# Altium PCB ESP-01F.PcbDoc
Units mm, origin at the board's own origin, x right, y up, seen from the top; angles counter-clockwise.
Board outline 22.86 x 29.21 mm, 2 copper layers (Top Layer, Bottom Layer); 28 components, 32 nets, 126 pads, 49 vias.
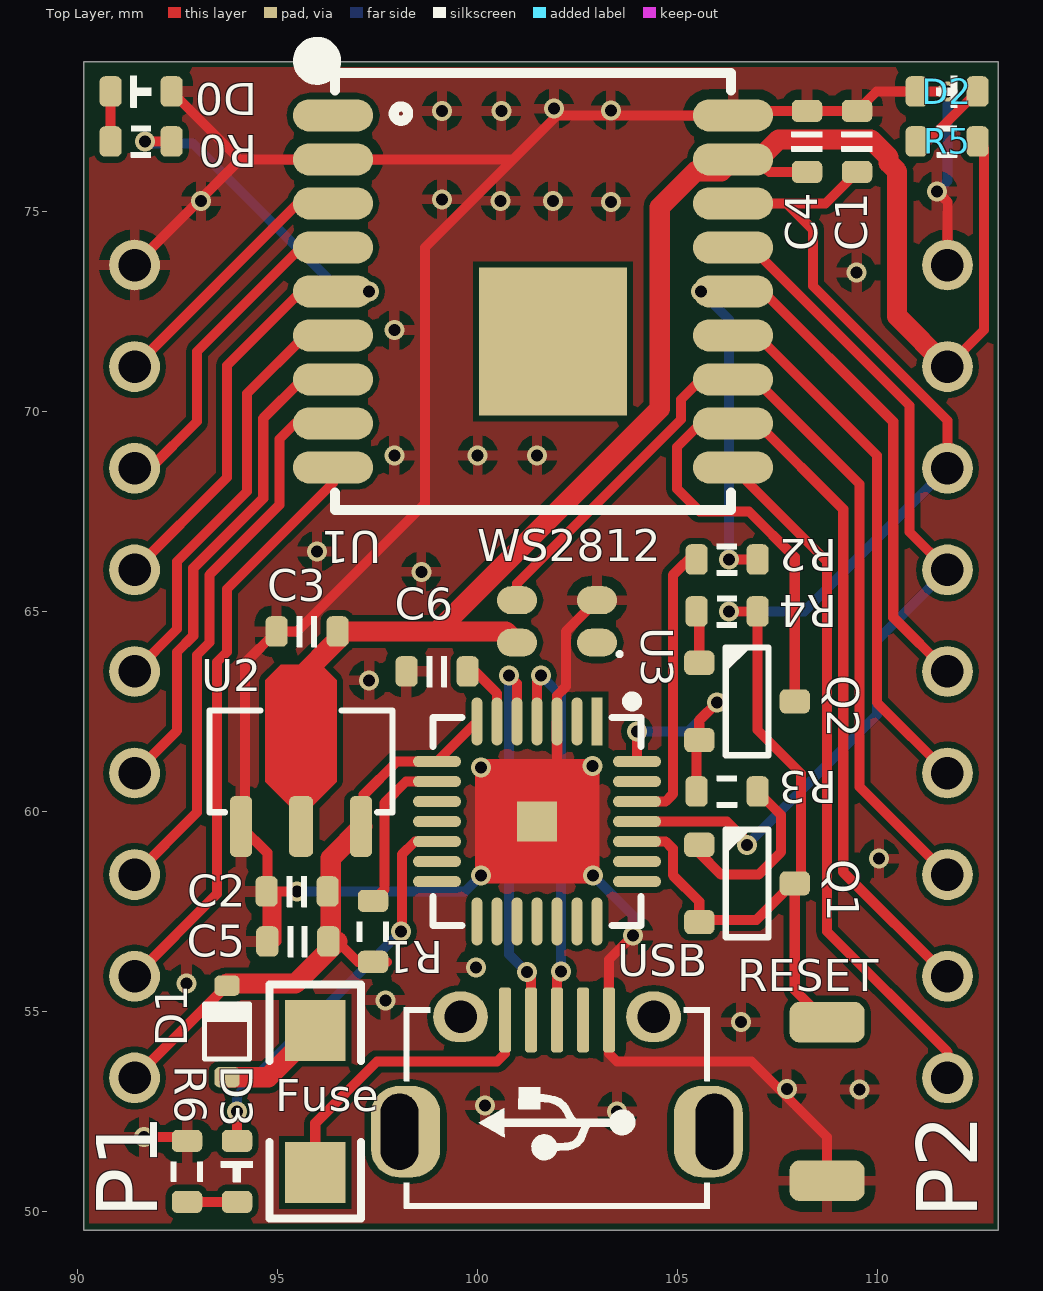
[diagram p0: Top Layer view]
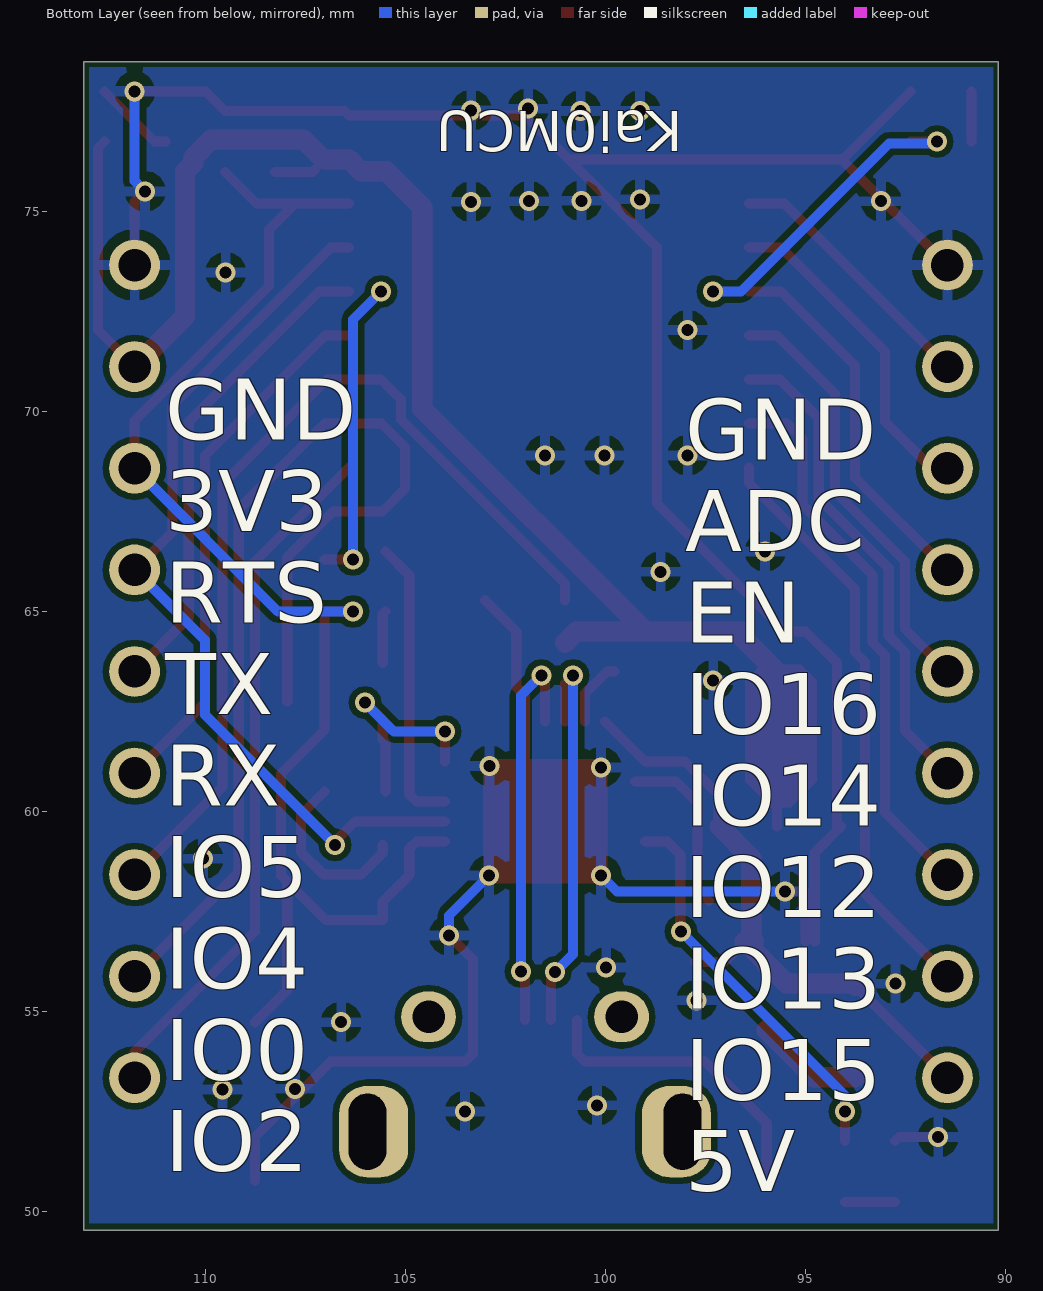
[diagram p1: Bottom Layer view, seen from below]
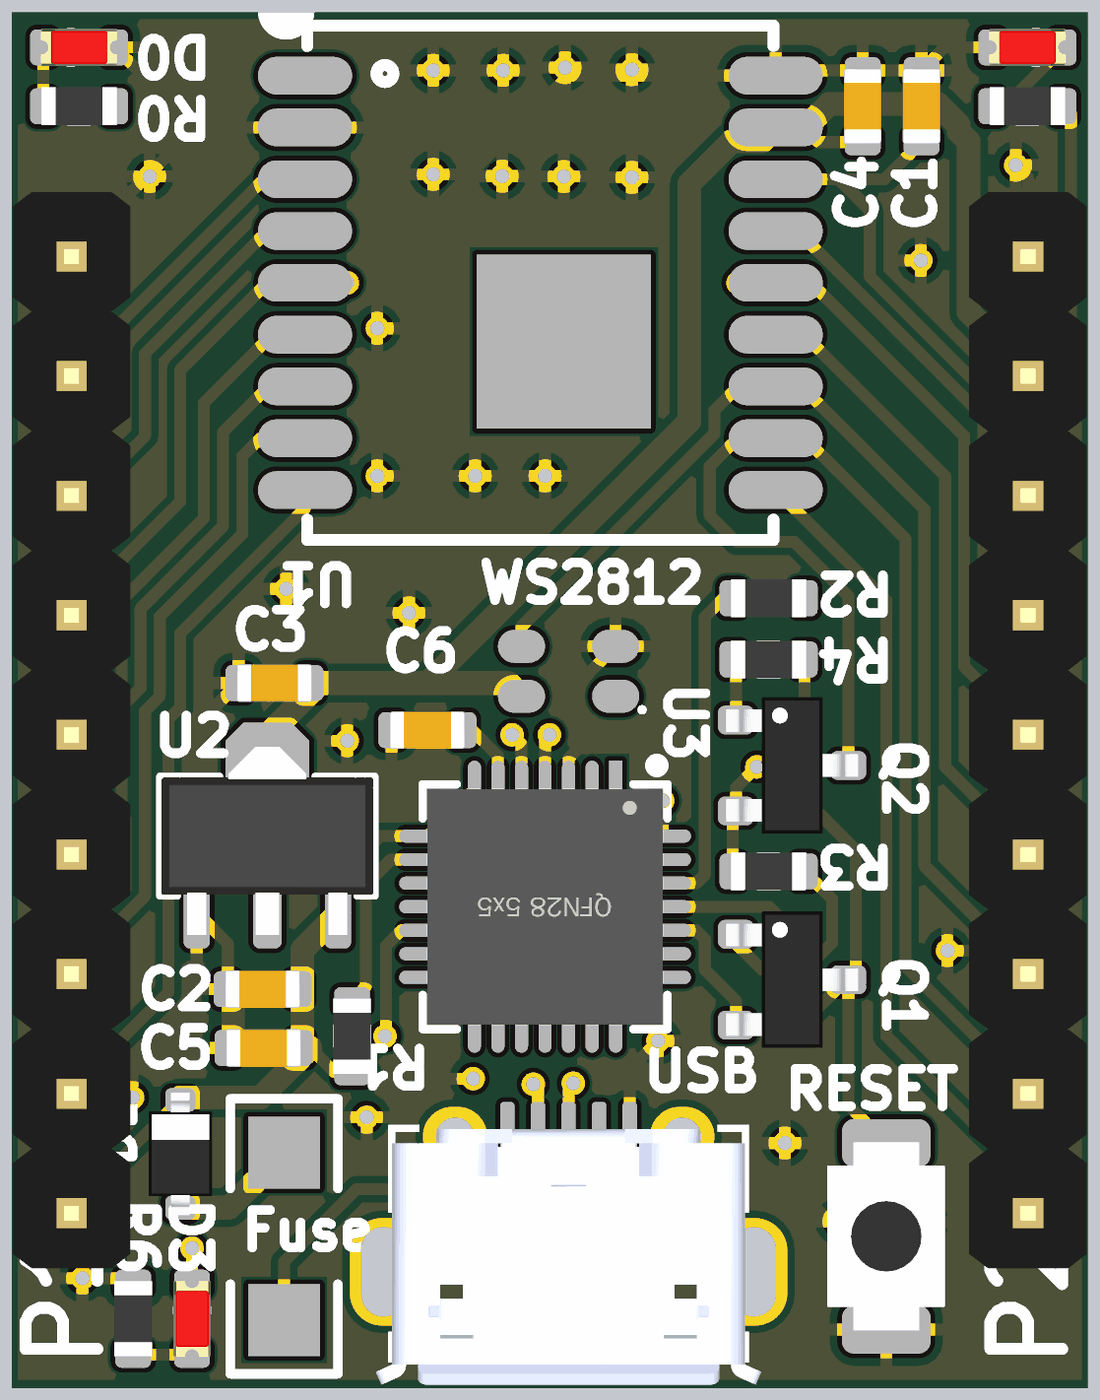
[diagram p2: 3D render of the assembled board from above, using the file's embedded part models]

## Layer stack, top to bottom
Top Solder: solder mask 0.0102, Solder Resist, Dk 3.5
Top Layer: signal copper 0.0356
Dielectric 1: dielectric 0.32, FR-4, Dk 4.8
Bottom Layer: signal copper 0.0356
Bottom Solder: solder mask 0.0102, Solder Resist, Dk 3.5

## Board outline
90.17,77.47 90.17,78.74 113.03,78.74 113.03,49.53 90.17,49.53

## Design rules (kind name [scope] priority, off if disabled: settings)
Clearance [All] p1: gap=0.152 ignorepadtopadclearanceinfootprint=FALSE
PolygonConnect [All] p1: connectstyle=Relief reliefconductorwidth=0.254 reliefentries=4 polygonreliefangle="90 Angle" airgapwidth=0.254
RoutingVias [All] p1: holewidth=0.711 width=1.27 viastyle="Through Hole" minholewidth=0.711 minwidth=1.27 maxholewidth=0.711 maxwidth=1.27
SolderMaskExpansion [All] p1: expansion=0.102
Width [All] p1: maxlimit=2.54 minlimit=0.254 preferedwidth=0.254 minimp=50.000000 maximp=50.000000 favimp=50.000000
30 further rules are at their usual default settings.

## Components (designator, comment, footprint, x,y, rotation, side; value= is the part's Value field where it differs from the comment)
C1 "C0603" CAP_0603 109.5,76.75 r270 top value=100nF
C2 "C0603" CAP_0603 95.5,58 r0 top value=22uF
C3 "C0603" CAP_0603 95.75,64.5 r0 top value=2.2uF
C4 "C0603" CAP_0603 108.25,76.75 r270 top value=100nF
C5 "C0603" CAP_0603 95.52,56.75 r0 top value=22uF
C6 "C0603" CAP_0603 99,63.5 r0 top value=1uF
D0 "color?" LED_0603_RED 91.6,78 r0 top
D1 "SS14" SOD-323 93.75,54.5 r90 top
D2 "color?" LED_0603_RED 111.75,78 r180 top
D3 "color?" LED_0603_RED 94,51 r270 top
Fuse "Fuse" 1206 95.955,52.75 r270 top value=1A
P1 "HDR1x9.54" HDR1X9_2.54_180 91.44,73.66 r0 top
P2 "HDR1x9.54" HDR1X9_2.54_180 111.76,73.66 r0 top
Q1 "S0805" SOT23-3 106.75,58.2 r0 top
Q2 "S0805" SOT23-3 106.75,62.75 r0 top
R0 "R0603" RES_0603 91.6,76.75 r180 top value=4.7K
R1 "R0603" RES_0603 97.4,57 r90 top value=10K
R2 "R0603" RES_0603 106.25,66.3 r0 top value=220
R3 "R0603" RES_0603 106.25,60.5 r0 top value=10K
R4 "R0603" RES_0603 106.25,65 r180 top value=10K
R5 "R0603" RES_0603 111.75,76.75 r0 top value=10K
R6 "R0603" RES_0603 92.75,51 r270 top value=10K
RESET "TACT 2P" ButtonTACT_3x4x2_180 108.75,52.75 r270 top value=3x4
U1 "ESP-01F" ESP-01F 101.5,72 r0 top
U2 "LDO1117" SOT89-3 95.6,61.25 r90 top
U3 "CP2102" QFN28,5X5 101.5,59.75 r180 top
USB "MicroUSB" USB_Micro-AB 102,52.25 r180 top
WS2812 "LED_0807_WS2812B" WS28112_0807 102,64.75 r180 top

## Footprints (in the part's own frame and the unit in brackets; to place one, negate y for a bottom-side part, rotate by r counter-clockwise, add the part's x,y. Pads: shape width x height; smd on the part's side, far side on the other; paste and mask are expansions set on the pad)
1206 [mil] "贴片元件"
  rect 60x60 smd: 1(-70,0) 2(70,0)
  silkscreen extent -115,-45 115,45, body extent -75,-35 75,35, height 39
ButtonTACT_3x4x2_180 [mil]
  rrect50% 40x74 smd: 1(-78,0) 2(78,0)
  body extent -79,-49 79,49, height 63
CAP_0603 [mil]
  rrect50% 22x30 smd: 1(-30,0) 2(30,0)
  silkscreen extent -10,-15 10,15, body extent -31,-16 31,16, height 31
ESP-01F [mm] "20210803,HangZhou"
  oval 2x0.8 smd: 1(-5.1,5.4) 2(-5.1,4.3) 3(-5.1,3.2) 4(-5.1,2.1) 5(-5.1,1) 6(-5.1,-0.1) 7(-5.1,-1.2) 8(-5.1,-2.3) 9(-5.1,-3.4) 10(4.9,-3.4) 11(4.9,-2.3) 12(4.9,-1.2) 13(4.9,-0.1) 14(4.9,1) 15(4.9,2.1) 16(4.9,3.2) 17(4.9,4.3) 18(4.9,5.4)
  rect 3.7x3.7 smd: 19(0.4,-0.25)
  silkscreen extent -5.8,-4.46 4.85,7.07
HDR1X9_2.54_180 [mil]
  round 50 hole 32: 1(0,0) 2(0,-100) 3(0,-200) 4(0,-300) 5(0,-400) 6(0,-500) 7(0,-600) 8(0,-700) 9(0,-800)
  body extent -49,-850 49,50, height 323
LED_0603_RED [mil]
  rrect50% 22x30 smd: 1(-30,0) 2(30,0)
  silkscreen extent -10,-16 10,16, body extent -32,-16 32,16, height 24
QFN28,5X5 [mm] "20210808,HangZhou"
  rect 0.28x1.2 smd: 1(-1.5,-2.5)
  oval 0.28x1.2 smd: 2(-1,-2.5) 3(-0.5,-2.5) 4(0,-2.5) 5(0.5,-2.5) 6(1,-2.5) 7(1.5,-2.5) 15(1.5,2.5) 16(1,2.5) 17(0.5,2.5) 18(0,2.5) 19(-0.5,2.5) 20(-1,2.5) 21(-1.5,2.5)
  oval 1.2x0.28 smd: 8(2.5,-1.5) 9(2.5,-1) 10(2.5,-0.5) 11(2.5,0) 12(2.5,0.5) 13(2.5,1) 14(2.5,1.5) 22(-2.5,1.5) 23(-2.5,1) 24(-2.5,0.5) 25(-2.5,0) 26(-2.5,-0.5) 27(-2.5,-1) 28(-2.5,-1.5)
  rect 1x1 smd: 29(0,0)
  Top Layer region: -1.55,1.55 1.55,1.55 1.55,-1.55 -1.225,-1.55 -1.55,-1.225
  silkscreen extent -2.6,-3.12 2.6,2.6, body extent -2.51,-2.51 2.51,2.51, height 0.75
RES_0603 [mil]
  rrect50% 22x30 smd: 1(-30,0) 2(30,0)
  silkscreen extent -10,-16 10,16, body extent -31,-16 31,16, height 18
SOD-323 [mil]
  rrect50% 20x25 smd: 1(-45,0) 2(45,0)
  silkscreen extent -27,-22 27,22, body extent -51,-27 51,27, height 43
SOT23-3 [mil]
  rrect50% 30x24 smd: 1(-47,38) 2(-47,-38) 3(47,0)
  silkscreen extent -21,-53 21,53, body extent -55,-57 55,57, height 51
SOT89-3 [mil]
  rrect50% 60x22 smd: 1(-64,59.06) 3(-64,-59.06)
  rrect50% 60x24 smd: 2(-64,0)
  Top Layer region: -45,10 -20,35 80,35 95,20 95,-20 80,-35 -20,-35 -45,-10
  silkscreen extent -50,-90 50,90, body extent -83,-88 75,88, height 60
USB_Micro-AB [mil]
  rrect80% 68x90 hole 37 slot 75 at 90 deg copper offset 6,0 mask+0: 0(-155,10)
  oval 54x50 hole 32 mask+0: 0(-95,-103) 0(95,-103)
  rrect80% 68x90 hole 37 slot 75 at 90 deg copper offset -6,0 mask+0: 0(155,10)
  rrect50% 12x64 smd: 1(51.18,-100) 2(25.59,-100) 3(0,-100) 4(-25.59,-100) 5(-51.18,-100)
  silkscreen extent -150,-113 150,86, body extent -161,-109 161,104, height 108
WS28112_0807 [mm] "Chip Array, Flat, 4-Leads, Pitch 1.06mm,  Body 1.80x2.00mm,  IPC Medium Density,20210225,HangZhou"
  oval 1x0.7 smd: 1(-1,0.53) 2(-1,-0.53) 3(1,-0.53) 4(1,0.53)
  silkscreen extent -1.61,0.77 -1.51,0.87, body extent -1.05,-0.95 1.05,0.95, height 0.8

## Part data
C1 C2 C3 C4 C5 C6: library part Cap_0603, "Capacitor", Specification="X7R 50V", Type=0603
D0 D2 D3: library part LED_0603, "LED", Type=0603
D1: library part Diode_SOD323, "Diode", Type=SOD323
Fuse: library part "Fuse 2", "???", LatestRevisionDate=17-Jul-2002, LatestRevisionNote="Re-released for DXP Platform.", PackageReference=PIN-W2/E2.8, Published=8-Jun-2000, Publisher="Altium Limited"
P1 P2: library part HDR1x9_2.54, "Header"
Q1 Q2: library part BJT_NPN, "Transistor", Type=NPN
R0 R1 R2 R3 R4 R5 R6: library part Res_0603, "Resistor", Specification=±5%, Type=0603
RESET: library part ButtonTACT_3x4x2_180, "Button", Type="TACT 2P"
U2: "Power", Type=SOT223-3
USB: library part USB_Micro, "USB", Type=B-type

## Via types
v1: diameter 0.5, hole 0.3, Top Layer to Bottom Layer, 49 vias

## Nets (pads, with @x,y where several pads share a name; then routed paths per layer and width w, separated by ;. In a path a pad name is that pad's centre, name@x,y a point inside that pad or via, vN(x,y) a via of type N, cw(c..) or ccw(c..) an arc to the next point about the centre after c; other vN are vias at no path point)
1O16: P1.4 R0.1 U1.5 | length 17.4
  Top Layer w0.254: P1.4 93.75,68.35 93.75,71.15 95.6,73 U1.5 ; v1(91.7,76.75) R0.1
  Bottom Layer w0.254: v1@91.6,76.8 91.7,76.7 92.9,76.7 96.6,73 v1(97.3,73)
3V3: C3.2 C4.2 P2.2 R5.2 U1.17 U2.2 WS2812.4 | length 42.5
  Top Layer w0.254: U2.2@95.701,59.624 95.701,61.717 ; C3.2 C3.2@96.613,64.399 ; U1.17@107.27,76.03 107.312,75.988 C4.2 ; P2.2 112.674,72.034 112.674,76.588 R5.2
  Top Layer w0.508: 95.701,61.717 95.45,61.968 95.45,63.235 C3.2@96.613,64.399 ; C3.2 99,64.5 ; WS2812.4 100.72,64.5 99,64.5 ; P2.2 110.5,72.38 110.5,76 110.287,76.213 110.287,76.354 109.841,76.8 107.54,76.8 107.04,76.3 U1.17 106.106,76.006 105.466,76.006 104.567,75.107 104.567,70.067 99,64.5
5V: C2.2 C5.2 D1.2 P1.9 R1.1 U2.3 U3.7 U3.8 | length 15.7
  Top Layer w0.254: P1.9 93.743,55.643 D1.2 ; C5.2@96.512,56.75 97.024,56.238 R1.1@97.75,56.238 ; U2.3@97.166,59.589 97.166,60.416 98,61.25 U3.8 U3.7
  Top Layer w0.508: D1.2@93.743,55.643 D1.2@93.75,55.65 ; D1.2 D1.2@93.75,55.65 ; C5.2 96.341,56.75 96.341,58.836 U2.3@97.13,59.624 ; C5.2@96.512,56.75 95.458,55.696 D1.2@93.796,55.696 ; D1.2@93.75,55.65 D1.2@93.796,55.696 ; D1.2@93.75,55.65 93.75,55.696 D1.2@93.796,55.696
ADC: P1.2 U1.3 | length 6.6
  Top Layer w0.254: P1.2 95.52,75.2 U1.3
DSR: U3.27
DTR: Q2.2 R3.1 U3.28 | length 5.5
  Top Layer w0.254: U3.28 v1(104,62) ; R3.1 105.488,61.717 Q2.2 105.556,62.276 v1(106,62.72)
  Bottom Layer w0.254: v1(104,62) 105.28,62 v1(106,62.72)
EN: P1.3 U1.4 | length 8.3
  Top Layer w0.254: P1.3 91.83,68.58 93,69.75 93,71.5 95.6,74.1 U1.4
GND: C1.1 C2.1 C3.1 C4.1 C5.1 C6.1 D0.2 D2.2 P1.1 P2.1 R6.1 RESET.2 U1.2 U1.18 U2.1 U3.3 U3.29 USB.5 WS2812.2 | length 78.3
  Top Layer w0.254: P1.1 94.08,76.3 ; v1(91.672,51.861) 92.651,51.861 R6.1 ; D0.2 94.062,76.3 94.08,76.3 ; U2.1 94.758,58.966 C5.1 ; U2.1@94.201,59.624 94.201,63.713 C3.1 95.5,64.5 98.7,67.7 98.7,74.1 100.9,76.3 ; C5.1@94.988,56.75 94.988,58 v1(95.5,58) ; U3.29 102,60.25 U3.3 102,62.9 102.22,63.12 102.22,64.5 WS2812.2 ; v1(103.9,56.9) 103.3,56.3 USB.5 103.3,53.95 103.5,53.75 106.861,53.75 108.75,51.861 RESET.2 ; v1(111.5,75.5) 111.76,75.24 P2.1 ; v1(111.76,78) D2.2 109.988,78 C1.1 C4.1 106.512,77.512 U1.18 102,77.4 100.9,76.3 ; 94.08,76.3 U1.2 100.9,76.3
  Bottom Layer w0.254: v1(95.5,58) 99.7,58 v1(100.1,58.4) ; v1(102.9,58.4) 103.9,57.4 v1(103.9,56.9) ; v1(111.5,75.5) 111.76,75.76 v1(111.76,78)
  other v1: 103.5,52.5 100.199,52.652 107.745,53.064 109.563,53.05 106.597,54.731 97.71,55.278 92.737,55.696 99.973,56.098 110.051,58.818 100.1,61.1 102.888,61.138 97.298,63.276 98.608,65.989 96,66.5 97.937,68.9 100.016,68.9 101.5,68.9 97.937,72.034 109.484,73.474 103.346,75.24 93.1,75.258 100.589,75.266 101.9,75.258 99.125,75.304 99.125,77.512 100.609,77.512 103.346,77.527 101.924,77.571
IO0: P2.8 Q2.3 U1.11 | length 26.3
  Top Layer w0.254: Q2.3 107.944,66.356 106.8,67.5 105.565,67.5 105,68.065 105,69.113 105.587,69.7 U1.11 107.012,69.7 109.156,67.555 109.156,58.484 P2.8
IO2: P2.9 U1.10 | length 17.5
  Top Layer w0.254: U1.10 108.75,66.25 108.75,57 111.76,53.99 P2.9
IO4: P2.7 U1.12 WS2812.3 | length 23.1
  Top Layer w0.254: WS2812.3 101,65.7 105.1,69.8 105.1,70.3 105.6,70.8 U1.12 106.95,70.8 109.563,68.187 109.563,60.617 P2.7
IO5: P2.6 U1.13 | length 13.5
  Top Layer w0.254: U1.13 107,71.9 110,68.9 110,62.72 P2.6
IO12: P1.6 U1.7 | length 12.3
  Top Layer w0.254: P1.6 92.5,62.02 92.5,63.985 92.906,64.392 92.906,66.082 94.656,67.832 94.656,69.826 95.63,70.8 U1.7
IO13: P1.7 U1.8 | length 13.9
  Top Layer w0.254: P1.7 93,59.98 93,63.911 93.313,64.223 93.313,65.913 95.063,67.663 95.063,69.313 95.45,69.7 U1.8
IO14: P1.5 U1.6 | length 10.9
  Top Layer w0.254: P1.5 92.5,64.56 92.5,66.25 94.25,68 94.25,70.449 95.701,71.9 U1.6
IO15: P1.8 U1.9 | length 14.8
  Top Layer w0.254: P1.8 93.5,57.94 93.5,63.735 93.75,63.985 93.75,65.562 96.4,68.212 U1.9
NetC6_2: C6.2 U3.6 | length 1.7
  Top Layer w0.254: C6.2 99.951,63.5 100.5,62.951 U3.6
NetD0_1: D0.1 R0.2 | length 1.2
  Top Layer w0.254: R0.2 D0.1
NetD1_1: D1.1 Fuse.1 | length 2.7
  Top Layer w0.508: D1.1 94.784,53.357 Fuse.1
NetD2_1: D2.1 R5.1 | length 2
  Top Layer w0.254: R5.1 111.262,76.75 D2.1
NetD3_1: D3.1 U3.12 | length 9.9
  Top Layer w0.254: D3.1 v1(94,52.5) ; v1(98.1,57) 98.121,57.021 98.121,58.924 98.447,59.25 U3.12
  Bottom Layer w0.254: v1(94,52.5) 94,52.9 v1(98.1,57)
NetD3_2: D3.2 R6.2 | length 1.3
  Top Layer w0.254: R6.2 D3.2
NetFuse_2: Fuse.2 USB.1 | length 7.5
  Top Layer w0.254: Fuse.2 95.955,52.205 97.5,53.75 100.5,53.75 100.7,53.95 USB.1
NetQ1_1: Q1.1 R3.2 | length 4.5
  Top Layer w0.254: Q1.1 105.556,58.964 106.1,58.42 107.036,58.42 107.6,58.984 107.6,59.912 R3.2
NetQ2_1: Q2.1 R4.2 | length 1.3
  Top Layer w0.254: R4.2 105.556,64.932 Q2.1
NetR1_2: R1.2 U3.9 | length 4.4
  Top Layer w0.254: R1.2 97.689,58.051 97.689,60.215 98.224,60.75 U3.9 U3.9@99.25,60.75
NetR2_1: R2.1 U3.26 | length 7.3
  Top Layer w0.254: U3.26 104.714,60.25 104.896,60.432 104.896,65.908 R2.1@105.488,66.5
NetU3_4: U3.4 USB.3 | length 10
  Top Layer w0.254: U3.4 101.5,63.3 101.594,63.394 v1(101.594,63.4) ; USB.3 102,55.9 v1(102.1,56)
  Bottom Layer w0.254: v1@101.6,63.4 102.1,62.9 v1(102.1,56)
NetU3_5: U3.5 USB.2 | length 10.1
  Top Layer w0.254: v1(100.8,63.4) 101,63.2 U3.5 ; v1(101.25,55.98) 101.35,55.88 USB.2
  Bottom Layer w0.254: v1(100.8,63.4) 100.8,56.43 v1(101.25,55.98)
RTS: C1.2 P2.3 Q1.2 Q1.3 R4.1 RESET.1 U1.16 U3.24 | length 36.3
  Top Layer w0.254: U3.24 104.715,59.25 104.896,59.069 104.896,58.409 105.556,57.749 105.556,57.285 106.979,57.285 Q1.3@107.944,58.25 ; v1(106.3,65) R4.1 107.012,62.038 108.1,60.95 108.1,58.406 Q1.3@107.944,58.25 ; U1.16 107.745,75.2 ; RESET.1 107.944,55.537 Q1.3 Q1.3@107.944,58.25 ; C1.2 108.712,75.2 107.745,75.2 ; P2.3 111.76,69.776 108.4,73.136 108.4,74.545 107.745,75.2
  Bottom Layer w0.254: v1(106.3,65) 108.18,65 P2.3
RX0: P2.5 R2.2 U1.14 | length 19.9
  Top Layer w0.254: v1(106.3,66.3) R2.2 ; U1.14 107.15,73 110.406,69.744 110.406,64.854 P2.5
  Bottom Layer w0.254: v1(105.6,73) 106.3,72.3 v1(106.3,66.3)
TX0: P2.4 U1.15 U3.25 | length 22.5
  Top Layer w0.254: U3.25 106.25,59.75 106.75,59.25 v1(106.75,59.165) ; U1.15 106.861,74.1 110.813,70.148 110.813,66.987 P2.4
  Bottom Layer w0.254: v1(106.75,59.165) 110,62.415 110,64.28 P2.4
pads on no net: U1.1 U1.19 U3.1 U3.2 U3.10 U3.11 U3.13 U3.14 U3.15 U3.16 U3.17 U3.18 U3.19 U3.20 U3.21 U3.22 U3.23 USB.0 USB.4 WS2812.1

## Polygon pours and split planes (outlines as drawn)
GND on Top Layer "Top Layer-GND" (solid, remove dead copper, pour order 6): 90.3,78.6 112.9,78.6 112.9,49.7 90.3,49.7
GND on Bottom Layer "Bottom Layer-GND" (solid, pour order 8): 90.3,78.6 112.9,78.6 112.9,49.7 90.3,49.7

## Silkscreen, mask and mechanical layers (free items; w line width, h text height)
Bottom Overlay:
  text "Kai0MCU" at 98.063,77.5 h1 r180
  text "GND / 3V3 / RTS / TX / RX / IO5 / IO4 / IO0 / IO2" at 111,51 h1.52
  text "GND / ADC / EN / IO16 / IO14 / IO12 / IO13 / IO15 / 5V" at 98,50.5 h1.52
Mechanical 1:
  the board outline again, w0.203